# Altium PCB Misko 3 1.0.PcbDoc (part 4 of 4)
Units mm, origin at the board's own origin, x right, y up, seen from the top; angles counter-clockwise.
Board outline 128.1 x 53.3 mm, 6 copper layers (Top (LS), Mid 1 (LS), Mid 2 (GND), Mid 3 (P/HS), Mid 4 (GND), Bottom (HS)), stack 1.597 mm thick; 232 components, 215 nets, 901 pads, 503 vias.
Unrouted connection lines stored in the file: 3.
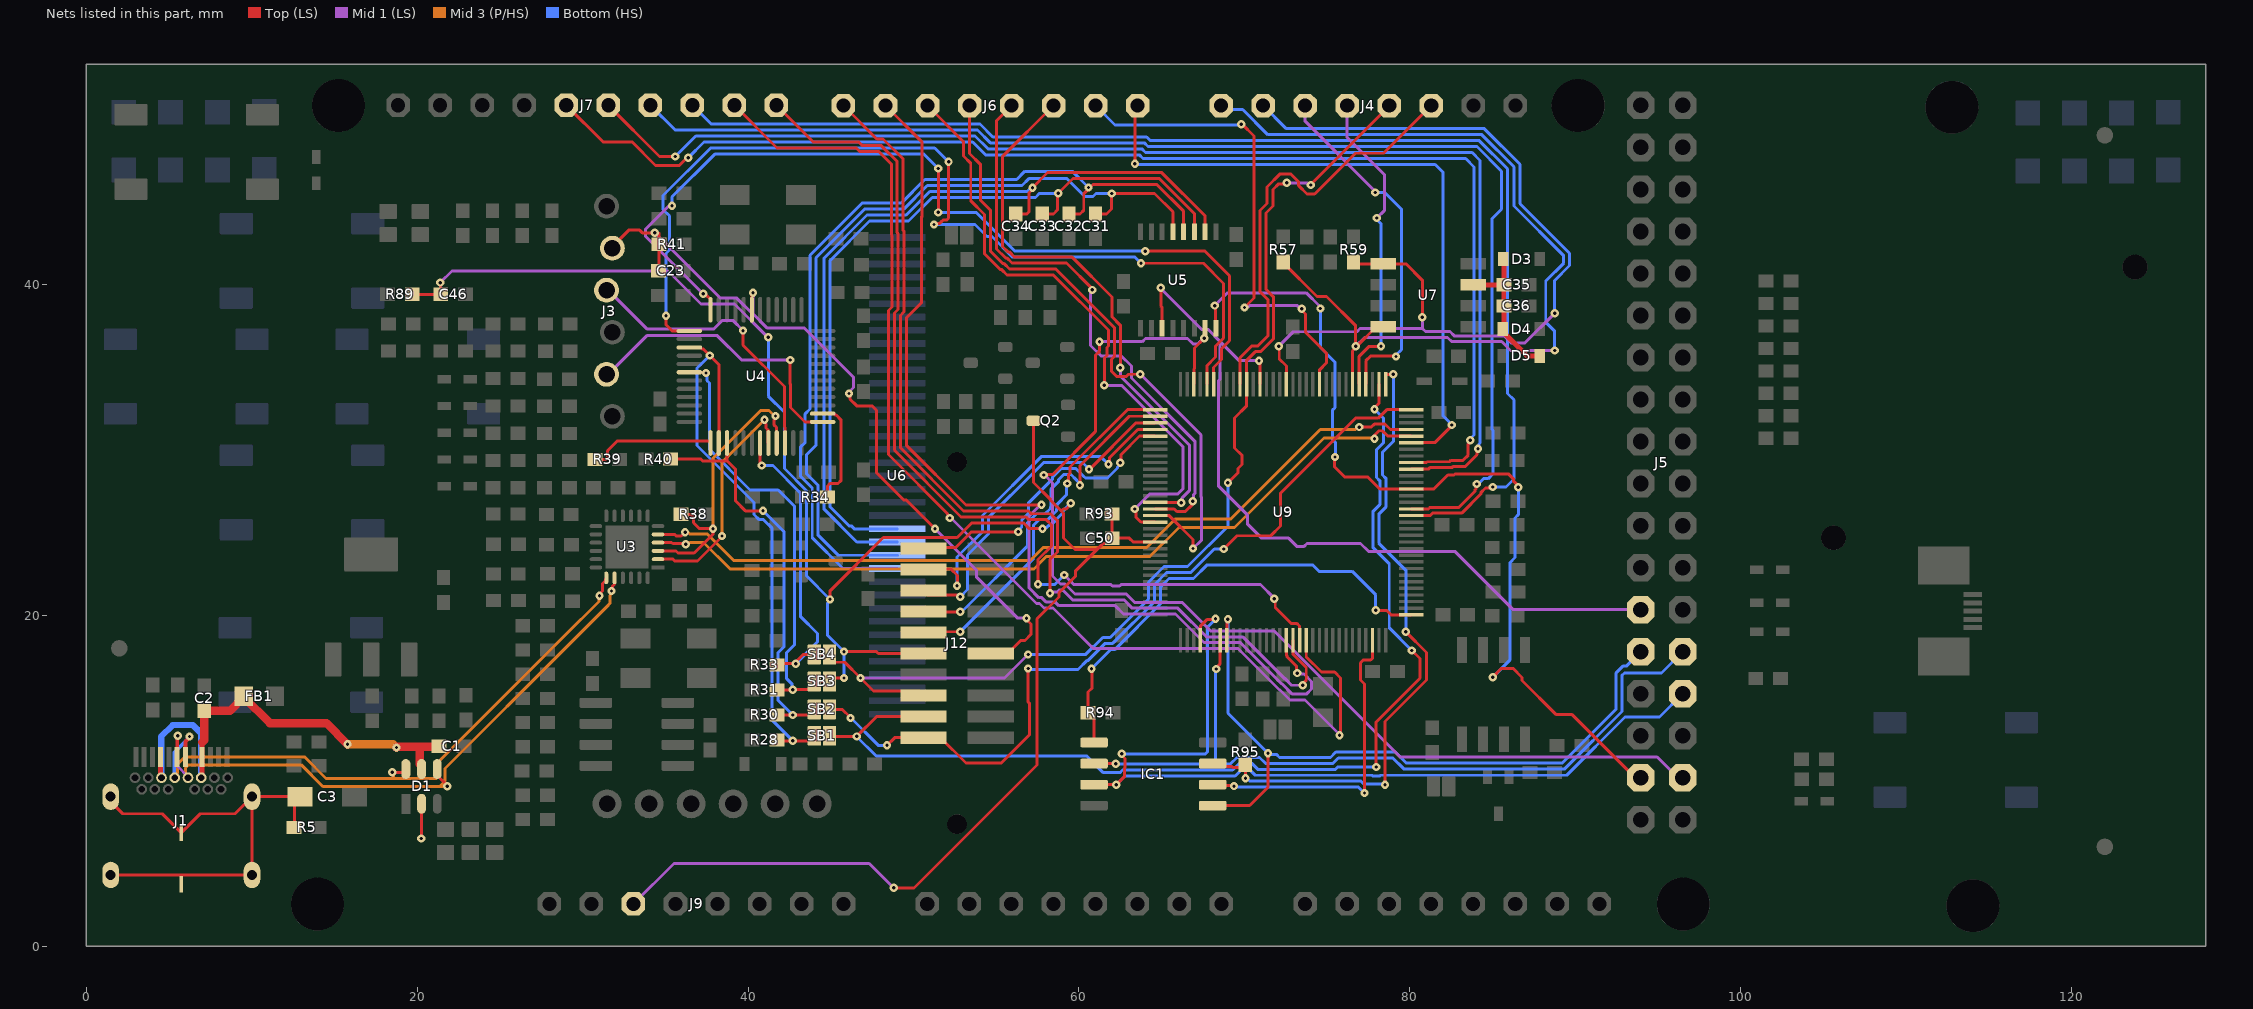
[diagram p8: the nets of this part, all layers, seen from the top]

## Via types
v1: diameter 0.5, hole 0.2, Top (LS) to Bottom (HS), tented both sides, 503 vias

## Nets (pads, with @x,y where several pads share a name; then routed paths per layer and width w, separated by ;. In a path a pad name is that pad's centre, name@x,y a point inside that pad or via, vN(x,y) a via of type N, cw(c..) or ccw(c..) an arc to the next point about the centre after c; other vN are vias at no path point) (continued)
NRST: C46.2 C50.2 J9.3 J12.10 Q2.3 R31.2 R89.1 R93.2 SB3.1 SB3.2 U4.18 U9.21 | length 157
  Top (LS) w0.18: R89.1@19.702,39.393 C46.2@21.429,39.393 21.4,39.422 v1(21.4,40.1) ; R31.2@41.739,15.48 41.749,15.49 v1(42.7,15.49) 42.716,15.507 43.695,15.507 43.805,15.617 SB3.1@43.805,15.993 ; SB3.1@44.005,15.993 SB3.2@44.925,15.993 ; v1(44.958,20.955) 44.965,20.962 44.965,21.479 48.176,24.69 52.638,24.69 53.53,25.582 56.649,25.582 57,25.23 v1(57.8,25.23) ; SB3.2@45.125,16.09 45.235,16.2 v1(45.8,16.2) ; v1(45.8,17.8) 47.75,17.8 47.87,17.68 J12.10@50.6,17.68 ; v1(48.8,3.52) 50.034,3.52 57.465,10.951 57.465,19.778 58.793,21.105 58.793,21.352 59.779,22.338 59.779,22.655 61.468,24.345 61.697,24.345 C50.2@62.007,24.655 ; Q2.3@57.25,31.75 57.25,28.014 58.29,26.974 58.29,26.933 58.928,26.295 ; v1(59.502,26.762) 59.502,26.701 59.223,26.422 59.055,26.422 58.928,26.295 ; 61.077,23.965 59.759,23.965 59.06,24.663 59.06,26.162 58.928,26.295 ; R93.2@61.987,26.123 61.987,24.675 C50.2@62.007,24.655 ; U9.21@64.598,24.423 63.275,24.423 63.043,24.655 C50.2@62.007,24.655
  Top (LS) w0.2: U4.18@36.456,34.682 36.466,34.673 37.423,34.673 v1(37.46,34.636)
  Mid 1 (LS) w0.18: v1(21.4,40.1) 22.105,40.805 35.159,40.805 37.153,38.81 39.178,38.81 41.194,36.795 v1(41.222,36.795) ; J9.3@33.074,2.554 35.521,5 47.32,5 v1(48.8,3.52)
  Bottom (HS) w0.18: v1(37.46,34.636) 37.521,34.575 37.521,34.171 37.666,34.026 37.666,30.023 40.123,27.566 41.819,27.566 42.8,26.585 42.8,18.211 42.335,17.746 42.335,16.165 42.667,15.833 42.667,15.523 v1(42.7,15.49) ; v1(41.222,36.795) 41.222,33.238 42.2,32.26 42.2,28.859 43.52,27.538 43.52,22.393 v1(44.958,20.955) ; v1@44.958,20.868 44.79,20.7 44.79,18.81 v1(45.8,17.8) v1(45.8,16.2) ; v1(57.8,25.23) 57.862,25.292 58.031,25.292 58.15,25.41 58.256,25.41 58.994,26.148 58.994,26.255 v1(59.502,26.762)
PWM2: J6.3 U9.15 | length 33.6
  Top (LS) w0.18: J6.3@58.466,50.8 55.369,47.703 55.369,42.677 55.38,42.667 55.38,42.284 55.702,41.962 55.779,41.962 56.101,41.64 59.587,41.64 61.997,39.229 61.997,38.031 62.5,37.528 v1(62.5,34.96) ; U9.15@64.598,26.823 v1@65.955,26.823
  Mid 1 (LS) w0.18: v1(62.5,34.96) 62.513,34.947 62.513,34.44 66.669,30.284 66.669,27.526 66.239,27.096 66.239,26.861 v1(66.178,26.8)
PWM3: J6.4 U9.16 | length 34.8
  Top (LS) w0.18: J6.4@55.926,50.8 55.009,49.883 55.009,43.538 55.009,42.528 55.02,42.517 55.02,42.135 55.553,41.602 55.63,41.602 55.952,41.28 56.758,41.28 59.243,41.28 60.794,39.729 v1(60.794,39.66) ; U9.16@64.598,26.423 65.753,26.423 65.916,26.26 66.424,26.26 66.839,26.675 66.839,26.856 v1(66.872,26.89)
  Mid 1 (LS) w0.18: v1(60.794,39.66) 60.794,39.573 60.7,39.479 60.7,36.305 61.326,35.679 62.545,35.679 63.171,35.053 63.171,34.338 67.019,30.489 67.019,27.381 66.933,27.295 66.933,26.951 v1(66.872,26.89)
PWM4: J6.5 U9.17 | length 39.1
  Top (LS) w0.18: J6.5@53.386,50.8 53.386,47.903 54.034,47.254 54.034,45.09 54.649,44.475 54.649,43.389 54.649,42.379 54.66,42.368 54.66,41.986 55.404,41.242 55.481,41.242 55.803,40.92 56.609,40.92 58.599,40.92 62.14,37.379 62.14,35.643 61.96,35.463 61.96,34.736 62.276,34.42 62.859,34.42 63.001,34.561 v1(63.711,34.561) ; U9.17@64.598,26.023 64.608,26.013 65.455,26.013 66.889,24.579 v1(66.889,24.025)
  Mid 1 (LS) w0.18: v1(63.711,34.561) 67.369,30.903 67.369,27.156 67.406,27.12 67.406,27.102 67.412,27.096 67.412,24.549 v1(66.889,24.025)
PWM5: J6.6 U9.18 | length 37.3
  Top (LS) w0.18: J6.6@50.846,50.8 53.026,48.62 53.026,47.754 53.459,47.321 53.459,45.041 54.289,44.211 54.289,43.24 54.289,42.23 54.3,42.219 54.3,41.836 55.255,40.882 55.332,40.882 55.654,40.56 56.46,40.56 58.45,40.56 61.78,37.23 61.78,36.266 61.689,36.175 61.689,35.701 61.54,35.552 61.54,33.907 v1(61.528,33.895) ; v1(63.373,26.416) 63.434,26.355 63.434,25.939 63.74,25.633 64.588,25.633 U9.18@64.598,25.623
  Mid 1 (LS) w0.18: v1(61.528,33.895) 62.563,33.895 66.3,30.158 66.3,28.099 66.3,27.651 65.984,27.335 64.292,27.335 v1(63.373,26.416)
PWM6: J6.7 U9.49 | length 60.5
  Top (LS) w0.18: J6.7@48.306,50.8 50.498,48.608 50.498,44.08 50.47,44.052 50.47,38.872 49.566,37.968 49.566,30.269 53.173,26.662 57.726,26.662 v1(57.734,26.67) ; U9.49@72.536,18.485 72.546,18.475 72.546,17.57 72.586,17.53 72.586,17.478 73.134,16.93 73.134,16.561 v1(73.195,16.5)
  Mid 1 (LS) w0.18: v1(57.734,26.67) 57.67,26.67 56.989,25.989 56.989,21.645 57.572,21.062 57.756,21.062 58.029,20.789 58.567,20.789 58.779,20.578 62.186,20.578 62.688,20.076 65.828,20.076 67.561,18.343 69.75,18.343 72.259,15.834 72.287,15.834 72.895,15.226 73.74,15.226 74.056,15.542 74.056,15.99 73.607,16.439 73.256,16.439 v1(73.195,16.5)
PWM7: J6.8 U9.50 | length 59.3
  Top (LS) w0.18: J6.8@45.766,50.8 47.785,48.781 48.161,48.781 49.375,47.567 49.375,43.265 49.415,43.225 49.415,38.326 49.206,38.117 49.206,30.12 53.024,26.302 56.947,26.302 57.119,26.13 58.28,26.13 58.7,25.71 58.7,23.824 58.253,23.377 v1(58.253,21.329) ; U9.50@72.936,18.485 72.946,18.475 72.946,17.679 72.946,17.627 73.735,16.838 73.735,16.072 73.516,15.853 v1(73.516,15.766)
  Mid 1 (LS) w0.18: v1(58.253,21.329) 58.314,21.39 58.677,21.39 58.824,21.537 59.004,21.537 59.614,20.928 62.714,20.928 63.216,20.426 65.973,20.426 67.706,18.693 69.895,18.693 72.404,16.184 72.432,16.184 72.85,15.766 v1(73.516,15.766)
PWM8: J7.1 U9.51 | length 60.1
  Top (LS) w0.18: J7.1@41.714,50.82 43.934,48.6 46.692,48.6 46.915,48.376 48.057,48.376 49.015,47.418 49.015,43.116 49.055,43.076 49.055,38.475 48.846,38.266 48.846,29.971 52.875,25.942 56.798,25.942 56.969,25.77 58.024,25.77 58.34,25.454 58.34,24.174 57.529,23.362 v1(57.529,21.869) ; v1(71.8,20.988) 71.861,20.927 71.861,20.464 72.813,19.513 73.156,19.513 73.326,19.343 73.326,18.495 U9.51@73.336,18.485
  Mid 1 (LS) w0.18: v1(59.105,22.427) 59.676,21.856 61.929,21.856 62.012,21.772 62.459,21.772 62.543,21.856 70.973,21.856 71.8,21.029 v1(71.8,20.988)
  Bottom (HS) w0.18: v1(57.529,21.869) 58.547,21.869 v1(59.105,22.427)
PWM9: J7.2 U9.52 | length 70.1
  Top (LS) w0.18: J7.2@39.174,50.82 41.754,48.24 46.542,48.24 46.766,48.016 47.908,48.016 48.655,47.269 48.655,42.967 48.695,42.927 48.695,38.625 48.486,38.415 48.486,29.709 52.043,26.151 52.043,26.096 52.184,25.956 v1(52.184,25.869) ; U9.52@73.736,18.485 73.736,17.477 74.653,16.56 75.45,16.56 75.8,16.21 75.8,12.8 v1(75.75,12.75)
  Mid 1 (LS) w0.18: v1(52.184,25.869) 52.27,25.869 57.427,20.712 57.611,20.712 57.884,20.439 58.422,20.439 60.868,17.993 69.605,17.993 72.114,15.484 72.142,15.484 72.75,14.876 73.666,14.876 75.75,12.792 v1(75.75,12.75)
PWM10: J7.3 U9.80 | length 76.9
  Top (LS) w0.18: U9.80@80.074,26.023 81.23,26.023 81.37,26.163 83.128,26.163 84.284,27.318 84.284,27.406 84.567,27.689 84.939,27.689 v1(85,27.75)
  Bottom (HS) w0.18: J7.3@36.634,50.82 37.774,49.68 54.02,49.68 54.794,48.906 64.094,48.906 64.32,48.68 84.197,48.68 85.9,46.977 85.9,33.402 86.287,33.015 86.287,28.237 85.8,27.75 v1(85,27.75)
PWM11: J7.4 U9.81 | length 77.7
  Top (LS) w0.18: U9.81@80.074,26.423 81.121,26.423 81.221,26.523 82.97,26.523 83.924,27.476 83.924,27.555 83.996,27.627 83.996,27.882 v1(84.042,27.928)
  Bottom (HS) w0.18: J7.4@34.094,50.82 35.594,49.32 53.871,49.32 54.644,48.546 63.945,48.546 64.171,48.32 84.048,48.32 85.54,46.828 85.54,44.54 84.96,43.96 84.96,31.236 85.02,31.176 85.02,28.534 84.733,28.247 84.448,28.247 84.129,27.928 v1(84.042,27.928)
PWM12: J7.5 U9.87 | length 77.3
  Top (LS) w0.18: J7.5@31.554,50.82 34.654,47.72 v1(35.6,47.72) ; U9.87@80.074,28.823 81.115,28.823 81.205,28.913 82.536,28.913 82.623,29 83.358,29 84.059,29.701 84.059,29.997 v1(84.12,30.058)
  Bottom (HS) w0.18: v1(35.6,47.72) 36.84,48.96 53.722,48.96 54.495,48.186 63.796,48.186 64.022,47.96 83.766,47.96 84.24,47.486 84.24,30.403 84.181,30.344 84.181,30.119 v1(84.12,30.058)
PWM13: J7.6 U9.88 | length 78.8
  Top (LS) w0.18: J7.6@29.014,50.82 31.228,48.606 32.98,48.606 34.406,47.18 35.842,47.18 36.308,47.646 v1(36.382,47.646) ; U9.88@80.074,29.223 81.006,29.223 81.056,29.273 82.387,29.273 82.474,29.36 83.208,29.36 83.52,29.671 83.52,30.36 83.647,30.487 v1(83.647,30.574)
  Bottom (HS) w0.18: v1(36.382,47.646) 37.336,48.6 53.572,48.6 54.346,47.826 63.646,47.826 63.873,47.6 83.371,47.6 83.88,47.091 83.88,30.893 83.647,30.66 v1(83.647,30.574)
QSPI.CLK: IC1.6 U9.62 | length 19.3
  Top (LS) w0.18: IC1.6@68.084,9.765 68.131,9.718 69.322,9.718 v1(69.369,9.671) ; v1(77.25,9.25) 77.25,15.84 77.01,16.08 77.01,17.12 77.18,17.29 77.63,17.29 77.736,17.395 U9.62@77.736,18.485
  Bottom (HS) w0.18: v1(69.369,9.671) 69.456,9.671 69.52,9.607 76.893,9.607 v1(77.25,9.25)
QSPI.NCS: IC1.1 R94.1 U9.65 | length 29.1
  Top (LS) w0.18: v1(60.754,16.763) 60.8,16.717 60.8,15.603 60.55,15.353 R94.1@60.55,14.1 60.6,14.1 60.91,13.79 60.91,12.308 IC1.1@60.914,12.305 ; v1(77.93,20.295) 78.586,20.295 78.857,20.023 U9.65@80.074,20.023
  Bottom (HS) w0.18: v1(60.754,16.763) 61.931,17.939 62.185,17.939 64.916,20.67 64.916,21.689 65.444,22.216 66.923,22.216 67.752,23.045 74.109,23.045 74.502,22.652 76.512,22.652 77.93,21.233 v1(77.93,20.295)
QSPI_IO0: IC1.5 J5.27 U9.40 | length 43.3
  Top (LS) w0.18: IC1.5@68.084,8.495 70.313,8.495 71.423,9.604 v1(71.423,11.655) ; U9.40@68.936,18.485 68.946,18.495 68.946,19.696 v1(69,19.75)
  Bottom (HS) w0.18: v1(69,19.75) 69,14.078 v1(71.423,11.655) 71.43,11.655 71.491,11.594 71.93,11.594 72.116,11.407 75.198,11.407 75.521,11.73 79.116,11.73 79.774,11.072 89.209,11.072 92.464,14.327 92.464,16.519 92.864,16.919 93.079,16.919 J5.27@93.952,17.793
QSPI_IO1: IC1.2 J5.28 U9.39 | length 48.2
  Top (LS) w0.18: IC1.2@60.914,11.035 60.921,11.028 62.217,11.028 v1(62.223,11.021) ; v1(68.299,16.748) 68.299,16.835 68.536,17.072 U9.39@68.536,18.485
  Bottom (HS) w0.18: v1(62.223,11.021) 62.244,11 68.101,11 ; v1(68.299,16.748) 68.25,16.7 68.25,11.149 68.101,11 ; J5.28@96.492,17.793 95.209,16.51 92.964,16.51 92.824,16.37 92.824,14.178 89.358,10.712 79.625,10.712 78.967,11.37 75.67,11.37 75.347,11.047 71.267,11.047 70.907,11.407 69.547,11.407 69.14,11 68.101,11
QSPI_IO2: IC1.3 J5.30 U9.36 | length 56.1
  Top (LS) w0.18: IC1.3@60.914,9.765 60.921,9.757 62.243,9.757 v1(62.25,9.75) 62.764,10.264 62.764,10.764 62.784,10.784 62.784,11.334 62.585,11.534 v1(62.585,11.62) ; U9.36@67.336,18.485 67.336,19.333 67.753,19.75 68.21,19.75 v1(68.25,19.79)
  Mid 1 (LS) w0.18: 68,19.75 68.21,19.75 v1(68.25,19.79)
  Bottom (HS) w0.18: v1(62.25,9.75) 62.78,10.28 69.439,10.28 69.846,10.687 70.293,10.687 70.653,10.327 77.699,10.327 77.736,10.29 78.184,10.29 78.221,10.327 89.482,10.327 92.996,13.841 95.08,13.841 J5.30@96.492,15.253 ; v1(62.585,11.62) 67.653,11.62 67.759,11.726 67.759,19.259 68.25,19.75 v1(68.25,19.79)
QSPI_IO3: IC1.7 R95.2 U9.97 | length 40.1
  Top (LS) w0.18: IC1.7@68.084,11.035 68.257,10.861 69.239,10.861 69.3,10.8 R95.2@69.889,10.8 ; R95.2@70.049,10.96 R95.2@69.889,10.8 ; v1(70.069,10.147) 70.069,10.62 R95.2@69.889,10.8 ; v1(78.5,9.75) 78.5,13.578 81,16.078 81,17.75 v1(79.75,19) ; U9.97@78.536,33.961 78.536,34.544 78.546,34.554 v1(78.995,34.554)
  Bottom (HS) w0.18: v1(70.069,10.147) 70.156,10.147 70.336,9.967 77.042,9.967 77.219,9.79 78.46,9.79 v1(78.5,9.75) ; v1(78.995,34.554) 78.995,30.501 78.347,29.853 78.347,28.475 78.541,28.28 78.541,26.527 78.12,26.106 78.12,24.353 79.75,22.723 v1(79.75,19)
SCK: J5.33 U5.16 U9.84 | length 55.3
  Top (LS) w0.18: v1(68.2,38.71) 68.237,38.673 68.237,37.37 U5.16@68.275,37.332 ; v1(75.472,29.558) 75.44,29.526 75.44,28.965 76.045,28.36 77.444,28.36 78.18,27.623 U9.84@80.074,27.623 81.443,27.623 82.293,28.474 82.67,28.474 82.721,28.525 85.975,28.525 86.249,28.251 86.249,28.123 86.55,27.823 v1(86.55,27.736) ; v1(85,16.25) 85.54,16.79 86.224,16.79 86.78,16.234 86.78,16.049 88.819,14.01 89.78,14.01 91.71,12.08 92.08,11.71 93.618,10.173 J5.33@93.952,10.173
  Mid 1 (LS) w0.18: v1(68.2,38.71) 68.975,39.485 73.729,39.485 74.529,38.685 74.529,38.591 v1(74.59,38.53)
  Bottom (HS) w0.18: v1(74.59,38.53) 74.59,36.173 75.459,35.305 75.459,34.623 75.473,34.61 75.473,32.542 75.313,32.382 75.313,30.631 75.493,30.451 75.493,29.579 v1(75.472,29.558) ; v1(85,16.25) 86.061,17.311 86.061,23.191 86.35,23.48 86.35,25.873 86.55,26.072 v1(86.55,27.736)
SHLD: C3.2 D1.2 J1.Shell R5.1 | length 31.4
  Top (LS) w0.18: J1.Shell@1.48,4.3 J1.Shell@10.02,4.3 J1.Shell@10.02,8.952 ; J1.Shell@1.48,9.03 1.48,8.73 2.21,8 4.6,8 J1.Shell@5.75,6.85 6.9,8 8.99,8 9.563,8.573 9.641,8.573 J1.Shell@10.02,8.952 ; R5.1@12.569,7.173 12.6,7.204 12.6,8.711 12.828,8.939 C3.2@12.479,9.289 ; C3.2@12.919,9.03 12.66,9.289 C3.2@12.479,9.289 ; v1(20.25,6.5) 20.259,6.509 20.259,7.371 20.269,7.38 D1.2@20.269,8.603 ; J1.Shell@10.02,8.952 J1.Shell@10.02,9.03 12.259,9.03 12.479,9.25 C3.2@12.479,9.289
STM_JRST: C23.2 J3.2 J12.9 R41.2 U4.7 | length 47.8
  Top (LS) w0.18: J3.2@31.7,42.18 32.79,43.27 33.449,43.27 33.609,43.11 v1(34.355,43.11) 34.382,43.084 34.628,43.084 34.628,40.867 C23.2@34.578,40.817 ; U4.7@40.231,38.457 40.245,38.471 40.245,39.437 v1(40.296,39.488) ; v1(46.1,33.4) 46.161,33.339 46.161,33.057 46.563,32.655 47.49,32.655 47.766,32.379 47.766,28.606 49.423,26.949 49.577,26.949 v1(51.296,25.23) ; J12.9@54.665,17.68 55.692,17.68 56.481,18.468 56.732,18.468 57.105,18.841 57.105,19.464 56.834,19.735 v1(56.834,19.822)
  Mid 1 (LS) w0.18: v1(34.355,43.11) 34.381,43.11 38.331,39.16 39.323,39.16 40.268,38.215 40.296,38.215 ; v1(40.296,39.488) 40.296,38.215 ; v1(46.1,33.4) 46.1,33.487 46.38,33.766 46.38,34.382 43.416,37.346 41.165,37.346 40.296,38.215 ; v1(51.296,25.23) 53.795,22.73 53.795,22.322 56.295,19.822 v1(56.834,19.822)
STM_JTCK_5: J3.5 U4.37 | length 17.8
  Top (LS) w0.18: v1(42.547,35.424) 42.547,33.981 42.56,33.968 42.56,32.559 43.436,31.682 U4.37@44.506,31.682
  Mid 1 (LS) w0.18: J3.5@31.548,34.56 33.884,36.896 38.144,36.896 39.617,35.424 v1(42.547,35.424)
STM_JTMS_5: J3.3 U4.34 | length 17.4
  Top (LS) w0.18: v1(39.7,37.2) 39.7,36.318 42.2,33.819 42.2,31.388 42.231,31.357 U4.34@42.231,30.407
  Mid 1 (LS) w0.18: J3.3@31.548,39.64 33.88,37.307 37.944,37.307 38.459,37.822 39.077,37.822 v1(39.7,37.2)
T_JTCK: J12.4 R28.2 SB1.1 SB1.2 U4.15 U4.26 U9.98 | length 101.4
  Top (LS) w0.18: U4.15@36.456,36.182 37.125,36.182 37.21,36.097 37.278,36.097 v1(37.681,35.694) 38.231,35.144 U4.26@38.231,30.407 ; R28.2@41.739,12.459 41.789,12.408 43.695,12.408 43.805,12.518 SB1.1@43.805,12.714 ; SB1.1@44.005,12.714 SB1.2@44.925,12.714 44.964,12.675 v1(46.561,12.675) ; v1@46.6,12.714 47.756,13.87 J12.4@50.6,13.87 ; v1(77.863,32.448) 77.863,32.535 78.136,32.808 U9.98@78.136,33.961 ; v1(77.96,10.83) 77.96,13.547 80.609,16.195 80.609,17.378 v1(80.118,17.868)
  Bottom (HS) w0.18: v1(37.681,35.694) 37.091,35.105 36.92,34.933 36.92,30.26 40.366,26.814 40.366,26.088 40.683,25.771 40.937,25.771 41.457,25.251 41.457,13.651 v1(42.7,12.408) ; v1(46.561,12.675) 47.736,11.5 60.448,11.5 61.467,10.481 62.472,10.481 62.631,10.64 69.29,10.64 69.697,11.047 70.442,11.047 70.802,10.687 75.496,10.687 75.639,10.83 v1(77.96,10.83) ; v1(77.863,32.448) 78.403,31.908 78.403,30.418 77.987,30.002 77.987,28.326 78.181,28.131 78.181,26.677 77.76,26.255 77.76,24.102 78.751,23.11 78.751,19.235 v1(80.118,17.868)
T_JTMS: J12.2 R30.2 R40.2 SB2.1 SB2.2 U4.27 U9.96 | length 75.5
  Top (LS) w0.18: R40.2@35.324,29.437 37.147,29.437 37.259,29.325 38.722,29.325 ; U4.27@38.731,30.407 38.722,30.398 38.722,29.332 39.249,28.805 39.249,26.9 39.838,26.311 v1(40.906,26.311) ; R30.2@41.739,13.969 43.695,13.969 43.805,14.079 SB2.1@43.805,14.311 ; SB2.1@44.005,14.311 SB2.2@44.925,14.311 ; SB2.2@45.125,14.311 45.136,14.3 45.7,14.3 46.186,13.814 v1(46.186,13.786) ; v1(48.4,12.135) 48.865,12.6 51.627,12.6 53.167,11.06 55.303,11.06 57,12.757 57,14.685 56.925,14.76 v1(56.925,16.775) ; v1(68.75,24) 69.551,24.801 71.59,24.801 72.181,25.392 72.181,27.372 76.496,31.687 76.496,31.694 76.709,31.908 78.086,31.908 78.601,32.423 U9.96@80.074,32.423
  Bottom (HS) w0.18: v1(40.906,26.311) 42.17,25.048 42.17,18.09 41.817,17.737 41.817,14.853 v1(42.7,13.969) ; v1(46.186,13.786) 46.214,13.786 47.865,12.135 v1(48.4,12.135) ; v1(56.925,16.775) 56.983,16.717 59.945,16.717 60.501,17.274 60.562,17.274 61.588,18.299 62.036,18.299 64.556,20.82 64.556,21.838 65.295,22.576 66.758,22.576 68.182,24 v1(68.75,24)
T_SWDIO_IN_5: R39.1 U4.25 | length 7.8
  Top (LS) w0.18: R39.1@30.74,29.417 31.394,29.417 31.5,29.523 31.5,29.937 32.09,30.528 37.699,30.528 37.699,30.44 U4.25@37.731,30.407
T_SWO: J4.4 J12.6 R33.2 SB4.1 SB4.2 U4.31 U9.118 | length 83.6
  Top (LS) w0.18: U4.31@40.731,30.407 40.731,29.222 40.822,29.131 v1(40.822,29.044) ; R33.2@41.739,16.991 41.817,17.069 v1(42.875,17.069) 42.936,17.13 42.936,17.229 43.335,17.628 44.004,17.628 SB4.1@44.005,17.626 SB4.2@44.925,17.626 ; SB4.2@45.125,17.266 45.235,17.156 45.844,17.156 v1(46.8,16.2) ; 47,16 47.58,15.42 50.32,15.42 J12.6@50.6,15.14 ; v1(69,28) 69.608,28.608 69.608,28.872 69.849,29.114 69.849,29.668 69.405,30.112 69.405,31.924 70.136,32.654 70.136,35.403 70.656,35.923 70.975,35.923 71.769,36.718 71.769,39.222 71.297,39.694 71.297,44.306 71.72,44.729 71.72,45.724 72.067,46.071 72.5,46.071 v1(72.561,46.132) ; v1(74,46) 74,46.024 78.751,50.776 J4.4@78.751,50.8
  Mid 1 (LS) w0.18: v1(46.8,16.2) 55.5,16.2 v1(56.925,17.625) ; v1(72.561,46.132) 73.782,46.132 73.913,46 v1(74,46)
  Bottom (HS) w0.18: v1(40.822,29.044) 41.505,29.044 43.16,27.389 43.16,19.935 44.195,18.9 44.195,18.388 v1(42.875,17.069) ; v1(56.925,17.625) 56.934,17.634 60.413,17.634 61.439,18.659 61.887,18.659 64.196,20.969 64.196,21.987 65.145,22.936 66.563,22.936 69,25.373 v1(69,28)
TCH_CS: J5.34 U5.15 U9.126 | length 69.6
  Top (LS) w0.18: v1(57.873,28.467) 57.913,28.507 58.408,28.507 60.988,31.088 60.988,35.692 61.25,35.953 61.25,36.518 v1(61.24,36.528) ; U9.126@66.936,33.961 66.946,33.971 66.946,34.872 66.976,34.902 66.976,36.146 v1(67.566,36.737) ; v1@67.625,36.737 U5.15@67.625,37.332
  Mid 1 (LS) w0.18: v1(57.873,28.467) 57.936,28.467 58.406,27.997 58.406,22.362 58.881,21.887 59.149,21.887 59.759,21.278 62.859,21.278 63.36,20.776 66.224,20.776 67.957,19.043 71.798,19.043 79.408,11.432 94.941,11.432 96.2,10.173 J5.34@96.492,10.173 ; v1(61.24,36.528) 63.822,36.528 64.023,36.729 66.556,36.729 66.899,36.386 67.182,36.386 67.532,36.737 v1(67.566,36.737)
TCH_PENIRQ: J5.25 U5.11 U9.116 | length 49.6
  Top (LS) w0.18: v1(64.948,39.79) 64.948,38.678 65.025,38.601 65.025,37.409 64.986,37.371 U5.11@65.025,37.332 ; v1(70.88,35.383) 70.936,35.328 U9.116@70.936,33.961
  Mid 1 (LS) w0.18: v1(64.948,39.79) 64.948,39.738 67.409,37.277 67.79,37.277 68.512,36.554 ; v1(70.88,35.383) 69.683,35.383 68.512,36.554 ; J5.25@93.952,20.333 86.238,20.333 82.711,23.86 77.493,23.86 77.013,24.34 73.783,24.34 73.607,24.164 73.159,24.164 72.671,24.652 71.041,24.652 70.17,25.523 70.17,26.066 68.419,27.817 68.419,34.153 68.512,34.246 68.512,36.554
TRACE.CLK: J12.12 U9.1 | length 21.8
  Top (LS) w0.18: J12.12@50.6,18.95 50.65,19 v1(52.818,19) ; v1(59.296,27.962) 59.358,28.023 59.358,28.468 59.461,28.572 59.461,28.95 62.935,32.423 U9.1@64.598,32.423
  Bottom (HS) w0.18: v1(52.818,19) 57.26,23.443 57.26,25.454 57.577,25.77 58.107,25.77 58.634,26.298 58.634,26.404 58.679,26.449 58.679,26.71 59.235,27.266 59.235,27.901 v1(59.296,27.962)
TRACE.TR0: J12.14 U9.2 | length 21.7
  Top (LS) w0.18: J12.14@50.6,20.22 50.62,20.2 v1(52.818,20.2) ; v1(60.055,27.861) 60.055,29.034 63.044,32.023 U9.2@64.598,32.023
  Bottom (HS) w0.18: v1(52.818,20.2) 52.9,20.2 56.9,24.2 56.9,25.603 57.428,26.13 57.958,26.13 58.274,26.447 58.274,26.553 58.319,26.598 58.319,27.641 58.773,28.095 58.773,28.202 59.073,28.502 59.52,28.502 59.836,28.186 59.836,28.166 60.055,27.947 v1(60.055,27.861)